# Altium PCB ZhuKong.PcbDoc (part 5 of 6) (continued)
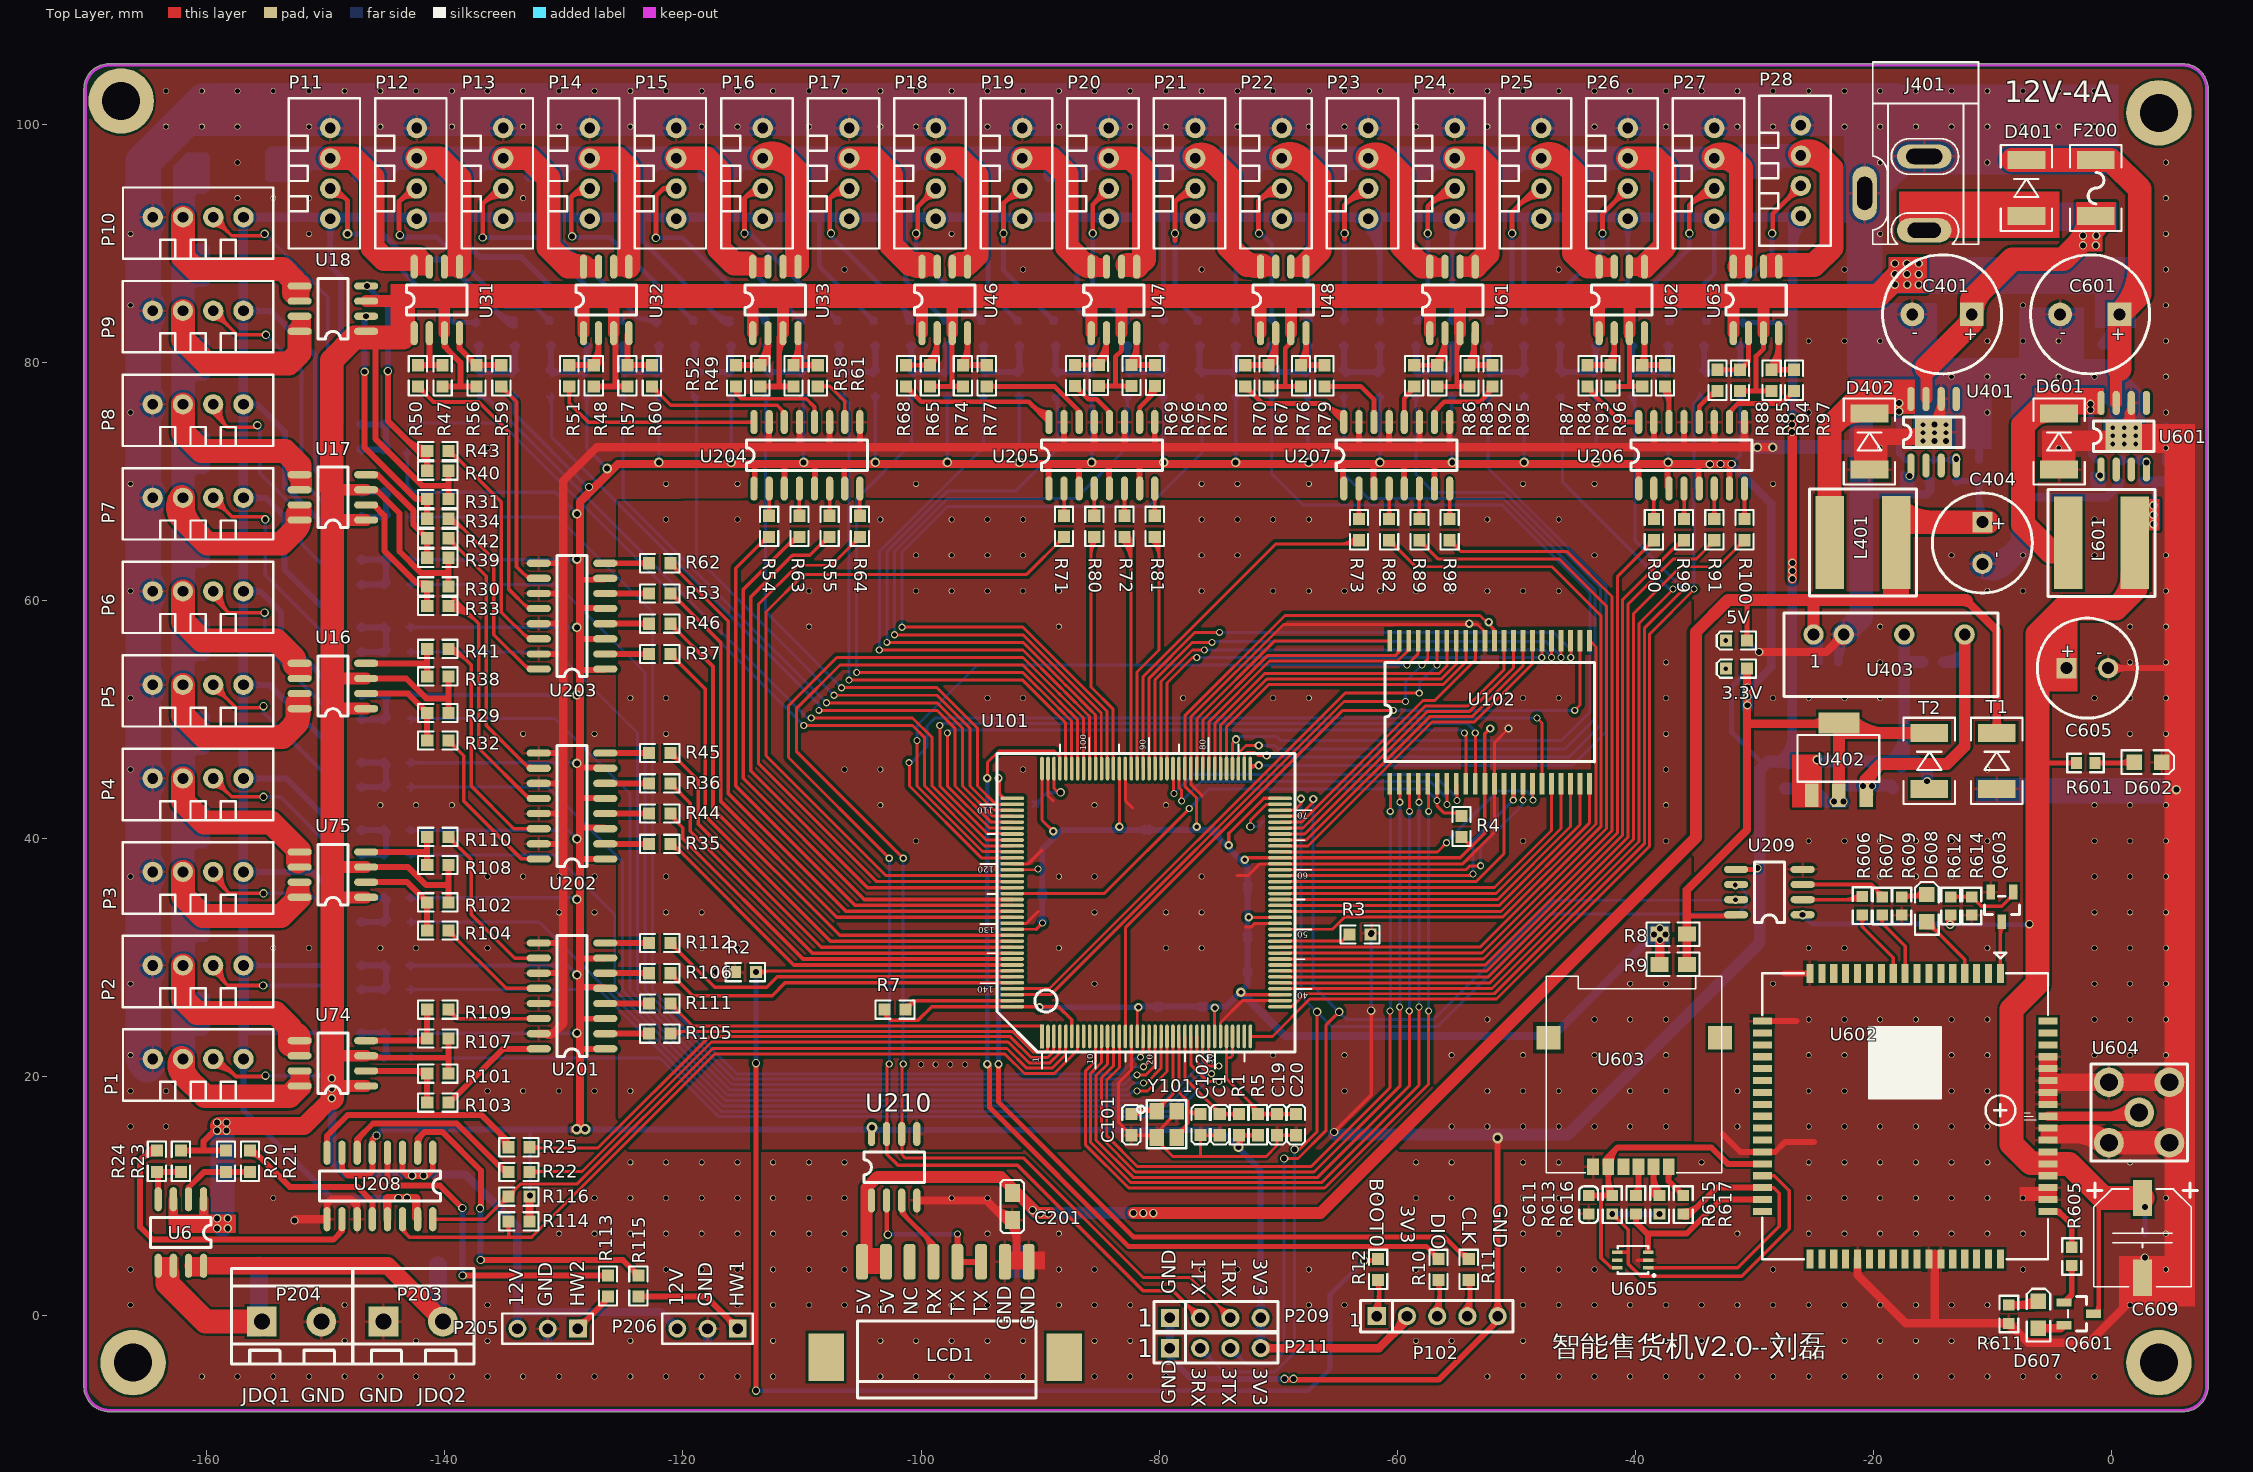
[diagram p0: Top Layer view]
## Nets (pads, with @x,y where several pads share a name; then routed paths per layer and width w, separated by ;. In a path a pad name is that pad's centre, name@x,y a point inside that pad or via, vN(x,y) a via of type N, cw(c..) or ccw(c..) an arc to the next point about the centre after c; other vN are vias at no path point) (continued)
PF7_FEED8: R523.1 U101.19 | length 99.3
  Top Layer w0.25: v3(-81.305,20.86) -80.834,21.331 U101.19@-80.834,23.411
  Bottom Layer w0.25: R523.1@-143.16,61.372 -130.587,61.372 -123.19,53.975 -123.19,27.313 -120.617,24.74 -120.615,24.74 -115.694,19.819 -83.109,19.819 -82.069,20.86 v3(-81.305,20.86) ; R523.1@-142.891,61.099 cw(c-142.233,60.441) -142.233,61.372 ; R523.1@-142.891,61.641 ccw(c-142.242,62.29) -142.242,61.372
PF8_FEED7: R520.1 U101.20 | length 95.1
  Top Layer w0.25: v3(-81.864,20.18) -81.101,20.18 -80.334,20.947 U101.20@-80.334,23.411
  Bottom Layer w0.25: R520.1@-143.162,55.7 -130.63,55.7 -123.825,48.895 -123.825,27.312 -120.803,24.29 -120.802,24.29 -115.881,19.369 -82.923,19.369 -82.112,20.18 v3(-81.864,20.18) ; R520.1@-142.891,55.43 cw(c-142.237,54.776) -142.237,55.7 cw(c-142.237,56.625) R520.1@-142.891,55.971
PF9_FEED6: R517.1 U101.21 | length 90.7
  Top Layer w0.25: v3(-81.305,19.501) -81.058,19.501 -79.834,20.724 U101.21@-79.834,23.411
  Bottom Layer w0.25: R517.1@-143.091,50.102 -130.747,50.102 -124.46,43.815 -124.46,27.311 -120.989,23.84 -120.988,23.84 -116.067,18.919 -82.736,18.919 -82.155,19.501 v3(-81.305,19.501) ; R517.1@-142.891,49.76 cw(c-142.066,48.935) -142.066,50.102 ; R517.1@-142.891,50.301 ccw(c-142.409,50.784) -142.409,50.102
PF10_FEED5: R514.1 U101.22 | length 86.1
  Top Layer w0.25: v3(-81.864,18.821) -80.975,18.821 -79.334,20.462 U101.22@-79.334,23.411
  Bottom Layer w0.25: R514.1@-143.162,44.361 -131.356,44.361 -125.095,38.1 -125.095,27.309 -121.176,23.39 -121.174,23.39 -116.254,18.469 -82.55,18.469 -82.198,18.821 v3(-81.864,18.821) ; R514.1@-142.891,44.09 cw(c-142.237,43.436) -142.237,44.361 cw(c-142.237,45.285) R514.1@-142.891,44.632
PF11: U101.49
PG6_CH21: R73.1 U101.91 | length 33.8
  Top Layer w0.25: U101.91@-81.334,45.911 -81.359,45.936 -81.359,53.618 -70.207,64.77 R73.1@-63.211,64.77 ; -64.908,64.77 ccw(c-64.908,66.787) R73.1@-63.482,65.361 ; -64.305,64.77 ccw(c-64.305,66.184) R73.1@-63.305,65.184 ; R73.1@-63.701,64.77 ccw(c-63.701,65.58) R73.1@-63.129,65.007
PG7_CH20: R81.1 U101.92 | length 24
  Top Layer w0.25: U101.92@-81.834,45.911 -81.859,45.936 -81.859,54.031 -80.01,55.88 -80.01,65.015 R81.1@-80.365,65.369 ; R81.1@-80.636,65.099 cw(c-82.146,63.588) -80.01,63.588 ; R81.1@-80.459,65.275 cw(c-81.542,64.192) -80.01,64.192 ; R81.1@-80.282,65.452 cw(c-80.939,64.795) -80.01,64.795
PG8_CH19: R72.1 U101.93 | length 26.7
  Top Layer w0.25: R72.1@-83.176,65.099 cw(c-85.146,63.128) -82.359,63.128 ; R72.1@-82.999,65.275 cw(c-84.542,63.732) -82.359,63.732 ; R72.1@-82.905,65.369 -82.359,64.824 ; R72.1@-82.853,64.99 cw(c-82.773,64.41) -82.359,64.824 ; R72.1@-82.822,65.452 cw(c-83.939,64.335) -82.359,64.335 ; R72.1@-82.645,65.629 cw(c-83.335,64.939) -82.359,64.939 ; R72.1@-82.525,65.317 ccw(c-81.946,65.238) -82.359,64.824 ; U101.93@-82.334,45.911 -82.359,45.936 -82.359,64.824
PG9_CH15: R55.1 U101.124 | length 50.4
  Top Layer w0.3: -108.511,64.667 cw(c-107.678,63.834) R55.1@-107.678,65.011 ; -108.198,64.979 ccw(c-108.588,65.369) R55.1@-108.036,65.369 ; R55.1@-107.925,65.253 -109.347,63.83 -110.795,63.83 -114.3,60.325 -114.3,45.72 -104.491,35.911 U101.124@-92.334,35.911
PG11_CH14: R63.1 U101.126 | length 51.2
  Top Layer w0.3: -111.354,64.541 cw(c-110.218,63.405) R63.1@-110.218,65.011 ; -110.842,65.053 cw(c-110.218,64.429) R63.1@-110.218,65.311 ; R63.1@-110.218,65.369 -110.526,65.369 -114.935,60.96 -114.935,45.085 -104.761,34.911 U101.126@-92.334,34.911
PG12_CH13: R54.1 U101.127 | length 50.8
  Top Layer w0.3: -113.677,64.631 cw(c-112.758,63.712) R54.1@-112.758,65.011 ; R54.1@-113.242,65.066 ccw(c-113.545,65.369) R54.1@-113.116,65.369 ; R54.1@-112.801,65.176 -113.132,65.176 -115.57,62.738 -115.57,44.45 -105.531,34.411 U101.127@-92.334,34.411
PG13_CH12: R62.1 U101.128 | length 50.7
  Top Layer w0.3: R62.1@-121.064,62.802 cw(c-121.064,61.937) -120.453,62.548 cw(c-119.842,63.16) R62.1@-120.706,63.16 ; R62.1@-121.064,63.16 -116.205,58.301 -116.205,43.815 -106.301,33.911 U101.128@-92.334,33.911
PG14_CH11: R53.1 U101.129 | length 48.8
  Top Layer w0.3: R53.1@-121.064,60.262 cw(c-121.064,59.109) -120.249,59.924 ; R53.1@-120.752,60.427 -116.84,56.515 -116.84,43.18 -107.071,33.411 U101.129@-92.334,33.411 ; R53.1@-120.706,60.62 ccw(c-120.13,60.62) -120.537,60.212
PG15_CH10: R46.1 U101.132 | length 47.9
  Top Layer w0.3: R46.1@-121.064,57.722 cw(c-121.064,56.857) -120.453,57.468 cw(c-119.842,58.08) R46.1@-120.706,58.08 ; R46.1@-121.064,58.08 -117.475,54.491 -117.475,42.545 -106.841,31.911 U101.132@-92.334,31.911
POWKEY: Q603.3 U602.1 | length 5.5
  Top Layer w0.3: U602.1@-9.428,29.308 ccw(c-9.684,29.564) -9.322,29.564 ccw(c-8.96,29.564) U602.1@-9.216,29.308 ; U602.1@-9.322,28.702 Q603.3@-9.322,32.913 ; -9.322,31.976 cw(c-8.405,31.976) Q603.3@-9.053,32.624
RESET: C1.2 R1.1 U101.25 | length 13.7
  Top Layer w0.25: U101.25@-77.834,23.411 -77.834,19.897 -74.818,16.881 R1.1@-73.298,16.881 ; -75.614,17.677 cw(c-76.411,16.881) C1.2@-75.285,16.881 ; -75.413,17.476 ccw(c-74.902,17.987) C1.2@-74.902,17.264 ; C1.2@-74.631,16.61 cw(c-73.977,15.956) -73.977,16.881 cw(c-73.977,17.805) C1.2@-74.631,17.152 ; R1.1@-73.569,16.61 ccw(c-74.223,15.956) -74.223,16.881 ccw(c-74.223,17.805) R1.1@-73.569,17.152
RF: U602.60 U604.3 | length 10.6
  Top Layer w0.8: U602.60@-5.322,16.702 U604.3@2.021,16.702 ; -0.478,16.702 ccw(c-0.478,19.833) U604.3@1.736,17.619 ; 1.048,16.702 cw(c1.048,15.729) U604.3@1.736,16.417
RXD_GPRS: R606.1 U209.2 | length 7.4
  Top Layer w0.3: U209.2@-25.933,34.9 R606.1@-21.192,34.9 ; U209.2@-25.113,34.79 cw(c-24.848,34.526) -24.848,34.9 cw(c-24.848,35.273) U209.2@-25.113,35.009 ; -22.348,34.9 ccw(c-22.348,36.555) R606.1@-21.177,35.384 ; -21.623,34.9 ccw(c-21.623,35.83) R606.1@-20.965,35.172
RXD_LCD: LCD1.3 LCD1.4 U210.2 | length 13.9
  Top Layer w0.4: v2@-102.87,6.833 U210.2@-102.87,9.627
  Top Layer w0.5: v3@-96.953,6.78 LCD1.4@-96.953,4.47 LCD1.3@-94.953,4.47 ; LCD1.3@-95.13,4.294 ccw(c-95.556,3.867) -95.556,4.47 ccw(c-95.556,5.074) LCD1.3@-95.13,4.647
  Bottom Layer w0.4: v2@-102.794,6.782 v3@-96.926,6.782
  other v2: -102.794,6.756
  other v3: -96.926,6.806
SIM_CLK: R617.2 U602.32 U605.1 | length 27.9
  Top Layer w0.3: U605.1@-38.913,3.962 -31.394,3.962 -27.889,7.468 -27.889,10.236 -28.355,10.702 U602.32@-29.322,10.702 ; U602.32@-28.716,10.596 cw(c-28.46,10.34) -28.46,10.702 cw(c-28.46,11.064) U602.32@-28.716,10.808
  Top Layer w0.5: R617.2@-35.966,8.501 -35.365,8.501 -33.164,10.702 U602.32@-29.322,10.702 ; R617.2@-35.941,8.216 ccw(c-35.941,8.92) -35.444,8.422 ; R617.2@-35.941,8.716 ccw(c-35.941,10.627) -34.59,9.276 ; R617.2@-35.789,8.349 cw(c-35.422,7.982) -35.422,8.501 cw(c-35.422,9.02) R617.2@-35.789,8.653
SIM_IO: R613.1 R615.2 U602.31 U605.4 | length 32.4
  Top Layer w0.3: v2(-41.929,8.501) -40.589,7.161 -40.589,4.293 -39.548,3.251 -31.039,3.251 -27.051,7.239 -27.051,10.439 -28.321,11.709 U602.31@-28.814,11.709 ; R613.1@-41.904,8.186 cw(c-41.904,7.486) -41.409,7.981 ; R613.1@-41.589,8.501 ccw(c-40.768,8.501) -41.349,7.921 ; U605.4@-41.492,5.283 -40.691,5.283 ; U602.31@-28.716,11.596 cw(c-28.442,11.322) -28.442,11.709 ; U602.31@-28.716,11.808 ccw(c-28.478,12.046) -28.478,11.709
  Bottom Layer w0.5: v2(-41.929,8.501) v2(-37.954,8.501)
SIM_RST: R616.2 U602.33 U605.3 | length 15.1
  Top Layer w0.5: R616.2@-40.094,8.349 cw(c-40.461,7.982) -39.941,7.982 cw(c-39.422,7.982) R616.2@-39.789,8.349 ; R616.2@-39.941,8.501 -39.941,7.785 -38.989,6.833 -35.687,6.833 -32.818,9.702 U602.33@-29.322,9.702 ; -38.913,5.461 -38.913,6.833
SIM_RXD: R606.2 U602.10 | length 7.8
  Top Layer w0.3: R606.2@-21.152,33.399 cw(c-21.69,32.861) -20.93,32.861 cw(c-20.169,32.861) R606.2@-20.707,33.399 ; R606.2@-20.93,33.622 -20.93,32.614 -18.322,30.006 U602.10@-18.322,28.702 ; U602.10@-18.428,29.308 ccw(c-18.684,29.564) -18.322,29.564 ccw(c-17.96,29.564) U602.10@-18.216,29.308
SIM_TXD: R607.2 U602.9 | length 7.3
  Top Layer w0.3: R607.2@-19.456,33.355 cw(c-19.825,32.918) -19.253,32.918 ; R607.2@-19.253,33.596 -19.253,32.918 ; R607.2@-19.05,33.355 ccw(c-18.682,32.918) -19.253,32.918 ; U602.9@-17.428,29.308 ccw(c-17.684,29.564) -17.322,29.564 ccw(c-16.96,29.564) U602.9@-17.216,29.308 ; U602.9@-17.322,28.702 -17.322,30.987 -19.253,32.918
SIM_VCC: C611.1 R613.2 U602.30 U603.1 U605.6 | length 32.9
  Top Layer w0.3: -42.875,10.041 -42.875,4.826 -42.012,3.962 U605.6@-41.513,3.962 ; -42.152,4.103 ccw(c-41.813,4.442) U605.6@-41.813,3.962
  Top Layer w0.5: C611.1@-43.917,10.041 -42.875,10.041 R613.2@-42.266,10.041 ; C611.1@-43.74,9.889 cw(c-43.373,9.522) -43.373,10.041 cw(c-43.373,10.56) C611.1@-43.74,10.193 ; U603.1@-42.515,12.625 cw(c-41.651,12.698) -42.264,13.311 ; U603.1@-42.442,12.069 cw(c-42.869,11.642) -42.266,11.642 cw(c-41.662,11.642) U603.1@-42.089,12.069 ; U603.1@-42.442,12.823 ccw(c-42.869,13.25) -42.266,13.25 ccw(c-41.662,13.25) U603.1@-42.089,12.823 ; R613.2@-42.266,10.244 U603.1@-42.266,12.446 -42.266,13.31 -41.504,14.072 ; -42.266,11.312 ccw(c-40.683,11.312) R613.2@-41.802,10.193 ; R613.2@-42.106,9.889 ccw(c-42.473,9.522) -42.473,10.041 ccw(c-42.473,10.56) R613.2@-42.106,10.193 ; U603.1@-42.017,12.667 cw(c-40.25,12.818) -41.504,14.072 ; U602.30@-29.322,12.702 -32.235,12.702 -33.604,14.072 -41.504,14.072
SWCLK: R11.1 U101.109 | length 75.5
  Top Layer w0.25: v4@-93.574,45.034 -93.396,44.856 -93.396,43.77 U101.109@-93.015,43.389 ; -93.331,43.705 cw(c-93.626,43.411) U101.109@-93.209,43.411
  Top Layer w0.4: v4(-93.497,21.082) -93.497,17.907 -82.144,6.553 -56.007,6.553 R11.1@-53.95,4.496 ; -54.84,5.387 ccw(c-53.985,6.242) R11.1@-53.985,5.032
  Bottom Layer w0.4: v4(-93.497,21.082) v4(-93.497,45.11)
SWDIO: R10.1 U101.105 | length 81.3
  Top Layer w0.25: v4@-94.412,45.11 -94.412,46.431 -93.447,47.396 -88.798,47.396 -88.334,46.933 U101.105@-88.334,45.911 ; -88.499,47.097 cw(c-88.834,46.761) U101.105@-88.359,46.761
  Top Layer w0.4: v4(-94.437,21.082) -94.247,20.892 -94.247,17.438 -82.575,5.766 -57.574,5.766 R10.1@-56.525,4.717 ; -57.064,5.256 ccw(c-56.525,5.794) R10.1@-56.525,5.032 ; -57.046,5.237 cw(c-57.558,4.724) R10.1@-56.833,4.724
  Bottom Layer w0.4: v4(-94.437,21.082) v4(-94.437,45.11)
SYNC: R605.2 U602.52 | length 6.1
  Top Layer w0.5: U602.52@-5.322,8.702 -4.409,8.702 -3.327,7.62 R605.2@-3.327,5.698 ; U602.52@-4.822,8.652 cw(c-4.822,7.536) -4.032,8.325 ; R605.2@-3.479,5.85 ccw(c-3.846,6.217) -3.327,6.217 ccw(c-2.808,6.217) R605.2@-3.175,5.85
TXD_GPRS: R607.1 U209.3 | length 8.7
  Top Layer w0.3: U209.3@-25.933,36.17 -20.142,36.17 R607.1@-19.38,35.408 ; U209.3@-25.113,36.06 cw(c-24.848,35.796) -24.848,36.17 cw(c-24.848,36.543) U209.3@-25.113,36.279 ; -19.936,35.963 cw(c-20.763,35.136) R607.1@-19.593,35.136 ; R607.1@-19.527,35.554 ccw(c-19.278,35.803) R607.1@-19.278,35.451
TXD_LCD: LCD1.5 U210.3 | length 9.2
  Top Layer w0.4: U210.3@-101.6,9.627 -101.6,8.585 -98.953,5.938 LCD1.5@-98.953,4.47 ; U210.3@-101.495,8.915 ccw(c-100.445,8.915) -101.188,8.173 ; -99.796,6.781 cw(c-101.106,5.47) LCD1.5@-99.253,5.47 ; -99.113,6.098 cw(c-99.74,5.47) LCD1.5@-98.853,5.47
VCC3.3_MCU: 3.3V.2 C410.1 C411.1 P102.2 P209.4 P211.4 R1.2 R5.2 R8.1 R9.1 R114.1 R116.1 R501.2 R504.2 R507.2 R510.2 R513.2 R516.2 R519.2 R522.2 R525.2 R528.2 R531.2 R534.2 R537.2 R540.2 R543.2 R546.2 R549.2 R552.2 R555.2 R558.2 R561.2 R564.2 R567.2 R570.2 R573.2 R576.2 R579.2 R3582.2 T2.2 U201.1 U201.3 U201.5 U201.7 U202.1 U202.3 U202.5 U202.7 U203.1 U203.3 U203.5 U203.7 U204.1 U204.3 U204.5 U204.7 U205.1 U205.3 U205.5 U205.7 U206.1 U206.3 U206.5 U206.7 U207.1 U207.3 U207.5 U207.7 U208.5 U208.7 U209.8 U210.8 U402.2 U402.4 | length 718.2
  Top Layer w0.3: R1.2@-73.203,15.103 R5.2@-71.695,15.103 ; R1.2@-73.045,14.85 cw(c-72.434,14.239) -72.434,15.103 cw(c-72.434,15.967) R1.2@-73.045,15.356 ; R5.2@-71.948,14.85 ccw(c-72.56,14.239) -72.56,15.103 ccw(c-72.56,15.967) R5.2@-71.948,15.356
  Top Layer w0.4: -35.662,33.528 U209.8@-31.623,33.528 ; -32.731,33.528 ccw(c-32.731,34.128) U209.8@-32.307,33.704
  Top Layer w0.5: U208.7@-148.641,13.64 -148.641,12.243 -148.107,11.709 -146.482,11.709 -146.101,12.09 U208.5@-146.101,13.64 -146.101,14.732 v2(-145.745,15.088) ; -128.651,22.367 U201.1@-126.525,22.367 ; -128.651,24.892 U201.3@-126.54,24.892 ; -128.651,27.559 U201.5@-126.637,27.559 ; -128.651,29.972 U201.7@-126.54,29.972 ; -128.651,40.97 U202.3@-126.637,40.97 ; -128.651,43.434 U202.5@-126.561,43.434 ; -128.651,45.999 U202.7@-126.586,45.999 ; -128.651,54.204 U203.1@-126.591,54.204 ; -128.651,56.794 U203.3@-126.54,56.794 ; -128.651,59.411 U203.5@-126.586,59.411 ; -128.651,61.773 U203.7@-126.642,61.773 ; -128.56,38.318 U202.1@-126.525,38.318 ; -127.65,61.773 ccw(c-127.65,62.304) U203.7@-127.275,61.928 ; -127.638,27.559 cw(c-127.638,27.045) U201.5@-127.275,27.408 ; -127.638,40.97 cw(c-127.638,40.456) U202.3@-127.275,40.82 ; U204.1@-113.97,69.492 -113.97,71.501 ; U204.3@-111.481,69.441 -111.481,71.501 ; U204.5@-108.89,69.492 -108.89,71.501 ; U204.7@-106.451,69.477 -106.451,71.501 ; U205.1@-89.281,69.46 -89.281,71.501 ; U205.3@-86.716,69.434 -86.716,71.501 ; U205.5@-84.226,69.485 -84.226,71.501 ; U205.7@-81.636,69.434 -81.636,71.501 ; R1.2@-73.481,14.92 cw(c-74.152,14.249) v5@-73.203,14.249 ; v5@-73.203,14.097 R1.2@-73.203,15.007 ; U207.1@-64.541,69.494 -64.541,71.501 ; U207.3@-61.976,69.468 -61.976,71.501 ; U207.5@-59.411,69.443 -59.411,71.501 ; U207.7@-56.871,69.443 -56.871,71.501 ; U206.1@-39.726,69.451 -39.726,71.501 ; U206.3@-37.287,69.553 v5@-37.287,71.501 ; -37.287,70.565 ccw(c-36.747,70.565) U206.3@-37.129,70.183 ; U206.5@-34.696,69.502 -34.696,71.501 ; -34.696,70.443 ccw(c-34.33,70.443) U206.5@-34.589,70.183 ; U206.7@-32.088,69.433 v2@-32.088,71.501
  Top Layer w0.7: R114.1@-132.893,7.874 R116.1@-132.893,9.948 ; v7@-128.651,15.596 -128.651,22.367 -128.651,24.892 -128.651,27.559 -128.651,29.972 -128.651,40.97 -128.651,43.434 -128.651,45.999 -128.651,54.204 -128.651,56.794 -128.651,59.411 -128.651,61.773 -128.651,68.326 -125.476,71.501 -113.97,71.501 -111.481,71.501 -108.89,71.501 -106.451,71.501 -89.281,71.501 -86.716,71.501 -84.226,71.501 -81.636,71.501 -64.541,71.501 -61.976,71.501 -59.411,71.501 -56.871,71.501 -39.726,71.501 -37.287,71.501 -34.696,71.501 v2(-32.842,71.501) v2@-32.088,71.501 ; P211.4@-71.468,-2.784 -61.509,-2.784 -59.175,-0.45 P102.2@-59.175,-0.094 ; P211.4@-71.177,-3.075 cw(c-70.473,-3.778) -70.473,-2.784 cw(c-70.473,-1.789) P211.4@-71.177,-2.492 ; -60.13,-1.405 ccw(c-61.441,-0.094) P102.2@-59.587,-0.094 ; R9.1@-35.863,29.666 ccw(c-36.35,30.152) -35.662,30.152 ccw(c-34.974,30.152) R9.1@-35.46,29.666 ; R8.1@-35.863,31.802 cw(c-36.35,31.316) -35.662,31.316 cw(c-34.974,31.316) R8.1@-35.46,31.802 ; R8.1@-35.863,32.206 ccw(c-36.35,32.692) -35.662,32.692 ccw(c-34.974,32.692) R8.1@-35.46,32.206 ; R9.1@-35.662,29.464 R8.1@-35.662,32.004 -35.662,33.528 -35.662,35.712 -30.607,40.767 -30.607,49.682 ; 3.3V.2@-30.607,54.305 -30.607,49.682 ; -25.165,49.682 ccw(c-25.165,51.2) U402.4@-24.092,50.127 ; -24.859,49.682 cw(c-24.859,48.598) U402.4@-24.092,49.365 ; U402.4@-22.949,49.682 -30.607,49.682
  Top Layer w1: U402.4@-23.16,49.471 cw(c-23.825,48.807) -22.885,48.807 cw(c-21.946,48.807) U402.4@-22.61,49.471 ; U402.2@-22.885,43.675 U402.4@-22.885,49.746 ; U402.4@-22.746,48.908 T2.2@-15.291,48.908 ; U402.4@-22.492,49.314 ccw(c-21.511,50.294) U402.4@-21.511,48.908 ; U402.4@-21.785,50.021 ccw(c-19.097,52.709) -19.097,48.908
  Bottom Layer w0.3: R525.2@-143.415,69.39 ccw(c-144.026,70.001) -143.162,70.001 ccw(c-142.298,70.001) -142.909,69.39 ccw(c-142.298,70.001) -142.298,69.137 ccw(c-142.298,68.273) R525.2@-142.909,68.884 ; R528.2@-143.415,72.457 cw(c-144.026,71.846) -143.162,71.846 cw(c-142.298,71.846) R528.2@-142.909,72.457 ; R501.2@-143.162,23.688 v5@-129.098,23.688 ; R504.2@-143.162,29.369 -129.699,29.369 v5(-128.905,28.575) ; R507.2@-143.162,35.05 v5@-129.03,35.05 ; R510.2@-143.162,40.731 -129.631,40.731 v5(-128.905,40.005) ; R513.2@-143.162,46.413 v5@-128.905,46.413 ; R516.2@-143.162,52.094 v5@-128.929,52.094 ; R519.2@-143.162,57.775 v5@-128.915,57.775 ; R522.2@-143.162,63.456 v5@-128.949,63.456 ; R528.2@-143.162,72.71 R525.2@-143.162,69.137 -130.732,69.137 v5(-128.905,67.31) ; R501.2@-142.909,23.435 cw(c-142.298,22.824) -142.298,23.688 cw(c-142.298,24.552) R501.2@-142.909,23.941 ; R504.2@-142.909,29.116 cw(c-142.298,28.505) -142.298,29.369 cw(c-142.298,30.233) R504.2@-142.909,29.622 ; R507.2@-142.909,34.797 cw(c-142.298,34.186) -142.298,35.05 cw(c-142.298,35.915) R507.2@-142.909,35.303 ; R510.2@-142.909,40.478 cw(c-142.298,39.867) -142.298,40.731 cw(c-142.298,41.596) R510.2@-142.909,40.985 ; R513.2@-142.909,46.159 cw(c-142.298,45.548) -142.298,46.413 cw(c-142.298,47.277) R513.2@-142.909,46.666 ; R516.2@-142.909,51.841 cw(c-142.298,51.229) -142.298,52.094 cw(c-142.298,52.958) R516.2@-142.909,52.347 ; R519.2@-142.909,57.522 cw(c-142.298,56.911) -142.298,57.775 cw(c-142.298,58.639) R519.2@-142.909,58.028 ; R522.2@-142.909,63.203 cw(c-142.298,62.592) -142.298,63.456 cw(c-142.298,64.32) R522.2@-142.909,63.709 ; R531.2@-134.413,77.181 cw(c-135.024,76.57) -134.16,76.57 cw(c-133.295,76.57) R531.2@-133.907,77.181 ; R531.2@-134.16,77.434 -134.16,75.714 v2@-127.914,69.469 ; v2@-132.817,10.033 -132.817,15.596 ; R534.2@-128.346,77.181 cw(c-128.957,76.57) -128.093,76.57 cw(c-127.229,76.57) R534.2@-127.84,77.181 ; R534.2@-128.093,77.434 -128.093,72.848 v5(-126.365,71.12) ; R537.2@-122.279,77.181 cw(c-122.891,76.57) -122.026,76.57 cw(c-121.162,76.57) R537.2@-121.773,77.181 ; v5@-122.026,71.861 R537.2@-122.026,77.434 ; R540.2@-116.213,77.181 cw(c-116.824,76.57) -115.96,76.57 cw(c-115.095,76.57) R540.2@-115.706,77.181 ; v5@-115.96,72 R540.2@-115.96,77.434 ; R543.2@-110.151,77.181 cw(c-110.763,76.57) -109.898,76.57 cw(c-109.034,76.57) R543.2@-109.645,77.181 ; v5@-109.898,71.798 R543.2@-109.898,77.434 ; R546.2@-104.096,77.181 cw(c-104.707,76.57) -103.843,76.57 cw(c-102.978,76.57) R546.2@-103.589,77.181 ; v5@-103.843,71.755 R546.2@-103.843,77.434 ; R549.2@-98.04,77.181 cw(c-98.651,76.57) -97.787,76.57 cw(c-96.923,76.57) R549.2@-97.534,77.181 ; v5@-97.787,71.758 R549.2@-97.787,77.434 ; R552.2@-91.984,77.181 cw(c-92.595,76.57) -91.731,76.57 cw(c-90.867,76.57) R552.2@-91.478,77.181 ; v5@-91.731,71.755 R552.2@-91.731,77.434 ; R555.2@-85.928,77.181 cw(c-86.54,76.57) -85.675,76.57 cw(c-84.811,76.57) R555.2@-85.422,77.181 ; v5@-85.675,71.755 R555.2@-85.675,77.434 ; R558.2@-79.873,77.181 cw(c-80.484,76.57) -79.62,76.57 cw(c-78.755,76.57) R558.2@-79.366,77.181 ; v5@-79.62,71.764 R558.2@-79.62,77.434 ; R561.2@-73.817,77.181 cw(c-74.428,76.57) -73.564,76.57 cw(c-72.7,76.57) R561.2@-73.311,77.181 ; v5@-73.564,71.633 R561.2@-73.564,77.434 ; R564.2@-67.761,77.181 cw(c-68.372,76.57) -67.508,76.57 cw(c-66.644,76.57) R564.2@-67.255,77.181 ; v5@-67.508,71.674 R564.2@-67.508,77.434 ; R567.2@-61.705,77.181 cw(c-62.317,76.57) -61.452,76.57 cw(c-60.588,76.57) R567.2@-61.199,77.181 ; v5@-61.452,71.816 R567.2@-61.452,77.434 ; R570.2@-55.65,77.181 cw(c-56.261,76.57) -55.397,76.57 cw(c-54.532,76.57) R570.2@-55.143,77.181 ; v5@-55.397,71.553 R570.2@-55.397,77.434 ; R573.2@-49.594,77.181 cw(c-50.205,76.57) -49.341,76.57 cw(c-48.477,76.57) R573.2@-49.088,77.181 ; v5@-49.341,71.716 R573.2@-49.341,77.434 ; R576.2@-43.538,77.181 cw(c-44.149,76.57) -43.285,76.57 cw(c-42.421,76.57) R576.2@-43.032,77.181 ; v5@-43.285,71.701 R576.2@-43.285,77.434 ; R579.2@-37.482,77.181 cw(c-38.094,76.57) -37.229,76.57 cw(c-36.365,76.57) R579.2@-36.976,77.181 ; v5@-37.229,71.635 R579.2@-37.229,77.434 ; v2(-31.902,71.501) -31.174,72.23 R3582.2@-31.174,77.434 ; R3582.2@-31.427,77.181 cw(c-32.038,76.57) -31.174,76.57 cw(c-30.309,76.57) R3582.2@-30.92,77.181
  Bottom Layer w0.5: v2(-145.745,15.088) -145.237,15.596 -132.817,15.596 v7@-104.089,15.596 ; v7@-104.089,15.545 -74.854,15.545 -71.468,12.159 P209.4@-71.468,-0.244
  Bottom Layer w0.7: P211.4@-71.759,-2.492 ccw(c-72.463,-1.789) -71.468,-1.789 ccw(c-70.473,-1.789) P211.4@-71.177,-2.492 ; P209.4@-71.759,-0.535 cw(c-72.463,-1.238) -71.468,-1.238 cw(c-70.473,-1.238) P209.4@-71.177,-0.535 ; P209.4@-71.759,0.048 ccw(c-72.463,0.751) -71.468,0.751 ccw(c-70.473,0.751) P209.4@-71.177,0.048 ; P211.4@-71.468,-2.784 P209.4@-71.468,-0.244 ; v2@-33.452,71.501 v2(-32.842,71.501) v2(-31.902,71.501) -28.575,68.174 -28.575,54.407 -30.277,52.705 v2(-30.582,52.705) v2(-30.582,51.232)
  Bottom Layer w1: C410.1@-27.432,44.221 C411.1@-25.298,44.221 ; -25.677,44.221 ccw(c-25.677,45.108) C411.1@-25.05,44.481 ; C411.1@-25.044,44.475 -25.044,44.196 -23.927,43.078 ; C411.1@-25.036,44.475 ccw(c-24.343,44.475) C411.1@-24.833,43.985 ; v2@-23.317,43.078 v2@-22.479,43.078
  other v2: -132.867,10.033 -23.317,43.129 -22.504,43.129 -30.582,51.968 -127.889,69.571 -33.731,71.476
  other v5: -73.33,14.097 -128.905,23.688 -128.905,34.925 -128.905,46.355 -128.905,52.094 -128.905,57.775 -128.905,63.5 -122.026,71.628 -115.951,71.628 -109.855,71.628 -103.843,71.628 -97.787,71.628 -91.731,71.628 -85.675,71.628 -79.62,71.628 -73.564,71.628 -67.437,71.628 -61.452,71.628 -55.372,71.628 -49.341,71.628 -43.285,71.628 -37.229,71.628
  other v7: -128.93,15.621 -128.219,15.621 -104.115,15.748
VCC3.3M: C3.1 C4.1 C5.1 C6.1 C7.1 C8.1 C9.1 C10.1 C11.1 C21.1 C22.1 R4.2 R7.2 R8.2 R9.2 U101.6 U101.17 U101.30 U101.39 U101.52 U101.62 U101.72 U101.84 U101.95 U101.108 U101.121 U101.131 U101.144 U102.11 U102.33 | length 238
  Top Layer w0.25: U101.131@-92.334,32.411 -90.322,32.411 ; U101.121@-92.334,37.411 v3@-90.22,37.411 ; U101.108@-89.834,45.911 -89.834,41.574 v4(-88.9,40.64) ; U101.6@-87.359,23.386 U101.6@-87.334,23.411 ; v4(-83.334,41.021) U101.95@-83.334,45.911 ; U101.17@-81.834,23.411 v4@-81.834,25.76 ; v4@-76.845,40.853 -76.845,43.44 -77.834,44.43 U101.84@-77.834,45.911 -77.809,45.936 -77.809,50.394 -69.428,58.776 -53.035,58.776 -51.83,57.571 U102.33@-51.83,56.644 ; U101.30@-75.334,23.411 v4@-75.334,25.783 ; -74.143,40.462 -71.194,43.411 ; v4(-72.476,33.411) U101.52@-69.834,33.411 ; -52.119,57.859 cw(c-52.633,57.344) U102.33@-51.905,57.344
  Top Layer w0.3: R7.2@-103.302,25.476 -102.587,24.761 ; R7.2@-103.019,25.632 ccw(c-102.547,25.442) -102.907,25.082 ; R7.2@-102.741,25.52 ccw(c-102.091,25.257) -102.587,24.761 ; U101.6@-87.334,23.411 -87.334,24.8 -88.446,25.911 U101.144@-92.334,25.911 -99.108,25.911 -100.258,24.761 -102.587,24.761 ; v4(-74.143,39.472) -74.143,40.462 ; v9(-73.127,27.127) -73.127,26.911 U101.39@-69.834,26.911 ; v4(-72.806,38.243) -72.638,38.411 U101.62@-69.834,38.411 -54.706,38.411 -53.784,39.332 ; -71.194,43.411 U101.72@-69.834,43.411 ; R4.2@-54.585,40.157 -53.784,39.357 -53.784,39.332 ; -53.556,39.561 -53.784,39.332 ; -53.48,39.637 -52.63,40.486 U102.11@-52.63,44.644 -52.63,48.825 v4(-52.18,49.276)
  Top Layer w0.32: -90.322,32.411 v3(-89.789,32.944)
  Top Layer w0.8: R9.2@-37.948,29.464 R8.2@-37.948,31.953
  Bottom Layer w0.5: v4(-90.043,25.857) v4(-81.737,25.857) ; C7.1@-89.997,33.101 ccw(c-90.437,33.541) -89.814,33.541 ccw(c-89.192,33.541) C7.1@-89.632,33.101 ; C11.1@-89.997,35.174 cw(c-90.437,34.734) -89.814,34.734 cw(c-89.192,34.734) C11.1@-89.632,35.174 ; C11.1@-89.997,35.539 ccw(c-90.437,35.98) -89.814,35.98 ccw(c-89.192,35.98) C11.1@-89.632,35.539 ; C7.1@-89.814,32.918 C11.1@-89.814,35.357 -89.814,39.141 -88.189,40.767 C10.1@-81.026,40.767 -76.753,40.767 -76.73,40.745 -75.67,40.745 -72.587,37.662 -72.587,35.992 C8.1@-72.568,35.992 C9.1@-72.568,31.75 C3.1@-72.568,28.804 -72.568,27.737 -74.397,25.908 C6.1@-76.352,25.908 C5.1@-80.086,25.908 v4@-81.737,25.908 ; C10.1@-81.208,40.585 ccw(c-81.649,40.144) -81.649,40.767 ccw(c-81.649,41.39) C10.1@-81.208,40.949 ; C10.1@-80.844,40.585 cw(c-80.403,40.144) -80.403,40.767 cw(c-80.403,41.39) C10.1@-80.844,40.949 ; C5.1@-80.269,25.726 ccw(c-80.709,25.285) -80.709,25.908 ccw(c-80.709,26.531) C5.1@-80.269,26.09 ; C5.1@-79.904,25.726 cw(c-79.463,25.285) -79.463,25.908 cw(c-79.463,26.531) C5.1@-79.904,26.09 ; C6.1@-76.535,25.726 ccw(c-76.975,25.285) -76.975,25.908 ccw(c-76.975,26.531) C6.1@-76.535,26.09 ; C6.1@-76.17,25.726 cw(c-75.73,25.285) -75.73,25.908 cw(c-75.73,26.531) C6.1@-76.17,26.09 ; -76.039,40.745 ccw(c-76.039,41.444) C4.1@-75.544,40.949 ; -75.931,40.745 cw(c-75.931,40.198) C4.1@-75.544,40.585 ; C4.1@-75.104,40.767 ccw(c-73.684,40.767) -74.688,39.763 ; C3.1@-72.75,28.621 cw(c-73.191,28.181) -72.568,28.181 cw(c-71.945,28.181) C3.1@-72.385,28.621 ; C3.1@-72.75,28.986 ccw(c-73.191,29.426) -72.568,29.426 ccw(c-71.945,29.426) C3.1@-72.385,28.986 ; C9.1@-72.75,31.568 cw(c-73.191,31.127) -72.568,31.127 cw(c-71.945,31.127) C9.1@-72.385,31.568 ; C9.1@-72.75,31.932 ccw(c-73.191,32.373) -72.568,32.373 ccw(c-71.945,32.373) C9.1@-72.385,31.932 ; C8.1@-72.75,35.809 cw(c-73.191,35.369) -72.568,35.369 cw(c-71.945,35.369) C8.1@-72.385,35.809 ; C8.1@-72.75,36.174 ccw(c-73.144,36.568) -72.587,36.568 ; -72.587,36.661 ccw(c-71.898,36.661) C8.1@-72.385,36.174
  Bottom Layer w0.7: v9(-73.127,27.127) -69.444,23.444 -46.914,23.444 v2(-38.405,31.953)
  other v2: -37.935,31.521 -37.465,31.953 -37.935,32.487
  other v3: -90.17,37.465
  other v4: -75.311,25.806 -76.845,41.021 -52.299,58.217
VCC5: 5V.2 C201.1 C404.1 C405.2 C412.1 L401.2 LCD1.7 LCD1.8 R401.2 T1.2 U210.1 U403.1 | length 191.8
  Top Layer w0.4: 5V.2@-30.819,56.88 ccw(c-31.331,57.392) -30.607,57.392 ccw(c-29.883,57.392) 5V.2@-30.395,56.88 ; 5V.2@-30.607,56.667 -30.607,59.969
  Top Layer w0.7: LCD1.8@-104.572,4.47 LCD1.8@-104.953,4.47 LCD1.7@-102.953,4.47 ; -18.11,59.995 -12.116,59.995 -9.627,57.506 T1.2@-9.627,48.908 ; T1.2@-9.918,49.199 ccw(c-10.621,49.902) -9.627,49.902 ccw(c-8.632,49.902) T1.2@-9.335,49.199
  Top Layer w1: LCD1.8@-104.572,4.47 -104.572,10.693 -103.657,11.608 -93.294,11.608 -90.246,8.56 v2@-89.154,8.56 ; v2(-82.169,8.56) -66.446,8.56 -34.9,40.107 -34.9,57.379 -32.207,60.071 -25.019,60.071 ; U403.1@-25.019,57.175 -25.019,60.071 ; -12.116,59.995 -12.192,60.071 -25.019,60.071
  Top Layer w2: L401.2@-18.059,64.901 -18.059,66.396 -17.846,66.609 C404.1@-10.363,66.609 ; L401.2@-17.918,67.743 ccw(c-15.18,70.481) -15.18,66.609
  Bottom Layer w0.5: R401.2@-13.166,70.079 C405.2@-11.125,70.079 -11.125,66.903 C404.1@-10.831,66.609 ; R401.2@-12.983,69.896 cw(c-12.543,69.456) -12.543,70.079 cw(c-12.543,70.701) R401.2@-12.983,70.261 ; C405.2@-11.308,70.261 cw(c-11.748,70.702) -11.748,70.079 cw(c-11.748,69.456) -11.308,69.896 cw(c-11.748,69.456) -11.125,69.456 cw(c-10.502,69.456) C405.2@-10.943,69.896 ; -11.125,67.56 ccw(c-9.879,67.56) C404.1@-10.76,66.679 ; -11.125,68.767 ccw(c-8.672,68.767) C404.1@-10.407,67.033
  Bottom Layer w1: v2(-90.627,8.814) -90.373,8.56 v2(-80.493,8.56) ; U403.1@-25.266,56.928 cw(c-26.6,55.595) -24.714,55.595 ; C412.1@-24.714,54.839 U403.1@-24.714,56.871
  other v2: -89.992,8.534 -89.306,8.534 -81.331,8.56
VCC5_MCU: C407.1 C408.1 C409.1 C413.2 U402.3 U403.4 | length 33.7
  Top Layer w1: U402.3@-20.65,43.891 -20.65,45.009 -19.355,46.304 -13.792,46.304 -12.319,47.777 U403.4@-12.319,57.175 ; U402.3@-20.585,43.675 U402.3@-20.471,43.79 ; U402.3@-20.514,44.104 cw(c-18,44.104) -19.778,45.881
  Bottom Layer w1: C408.1@-22.885,44.475 C409.1@-18.491,44.475 ; C407.1@-21.359,44.475 cw(c-21.359,43.716) C407.1@-20.822,44.253 ; C407.1@-20.631,44.253 cw(c-20.094,43.716) C407.1@-20.094,44.475 ; C409.1@-18.87,44.475 cw(c-18.87,43.716) C409.1@-18.333,44.253 ; C413.2@-14.046,54.839 -13.106,54.839 -12.319,55.626 U403.4@-12.319,57.175 ; C413.2@-14.046,54.847 ccw(c-14.046,57.135) -12.428,55.517
  other v2: -20.853,44.45 -20.117,44.45